# Altium PCB PCB_15122020_01BC.PcbDoc (part 2 of 9) (continued)
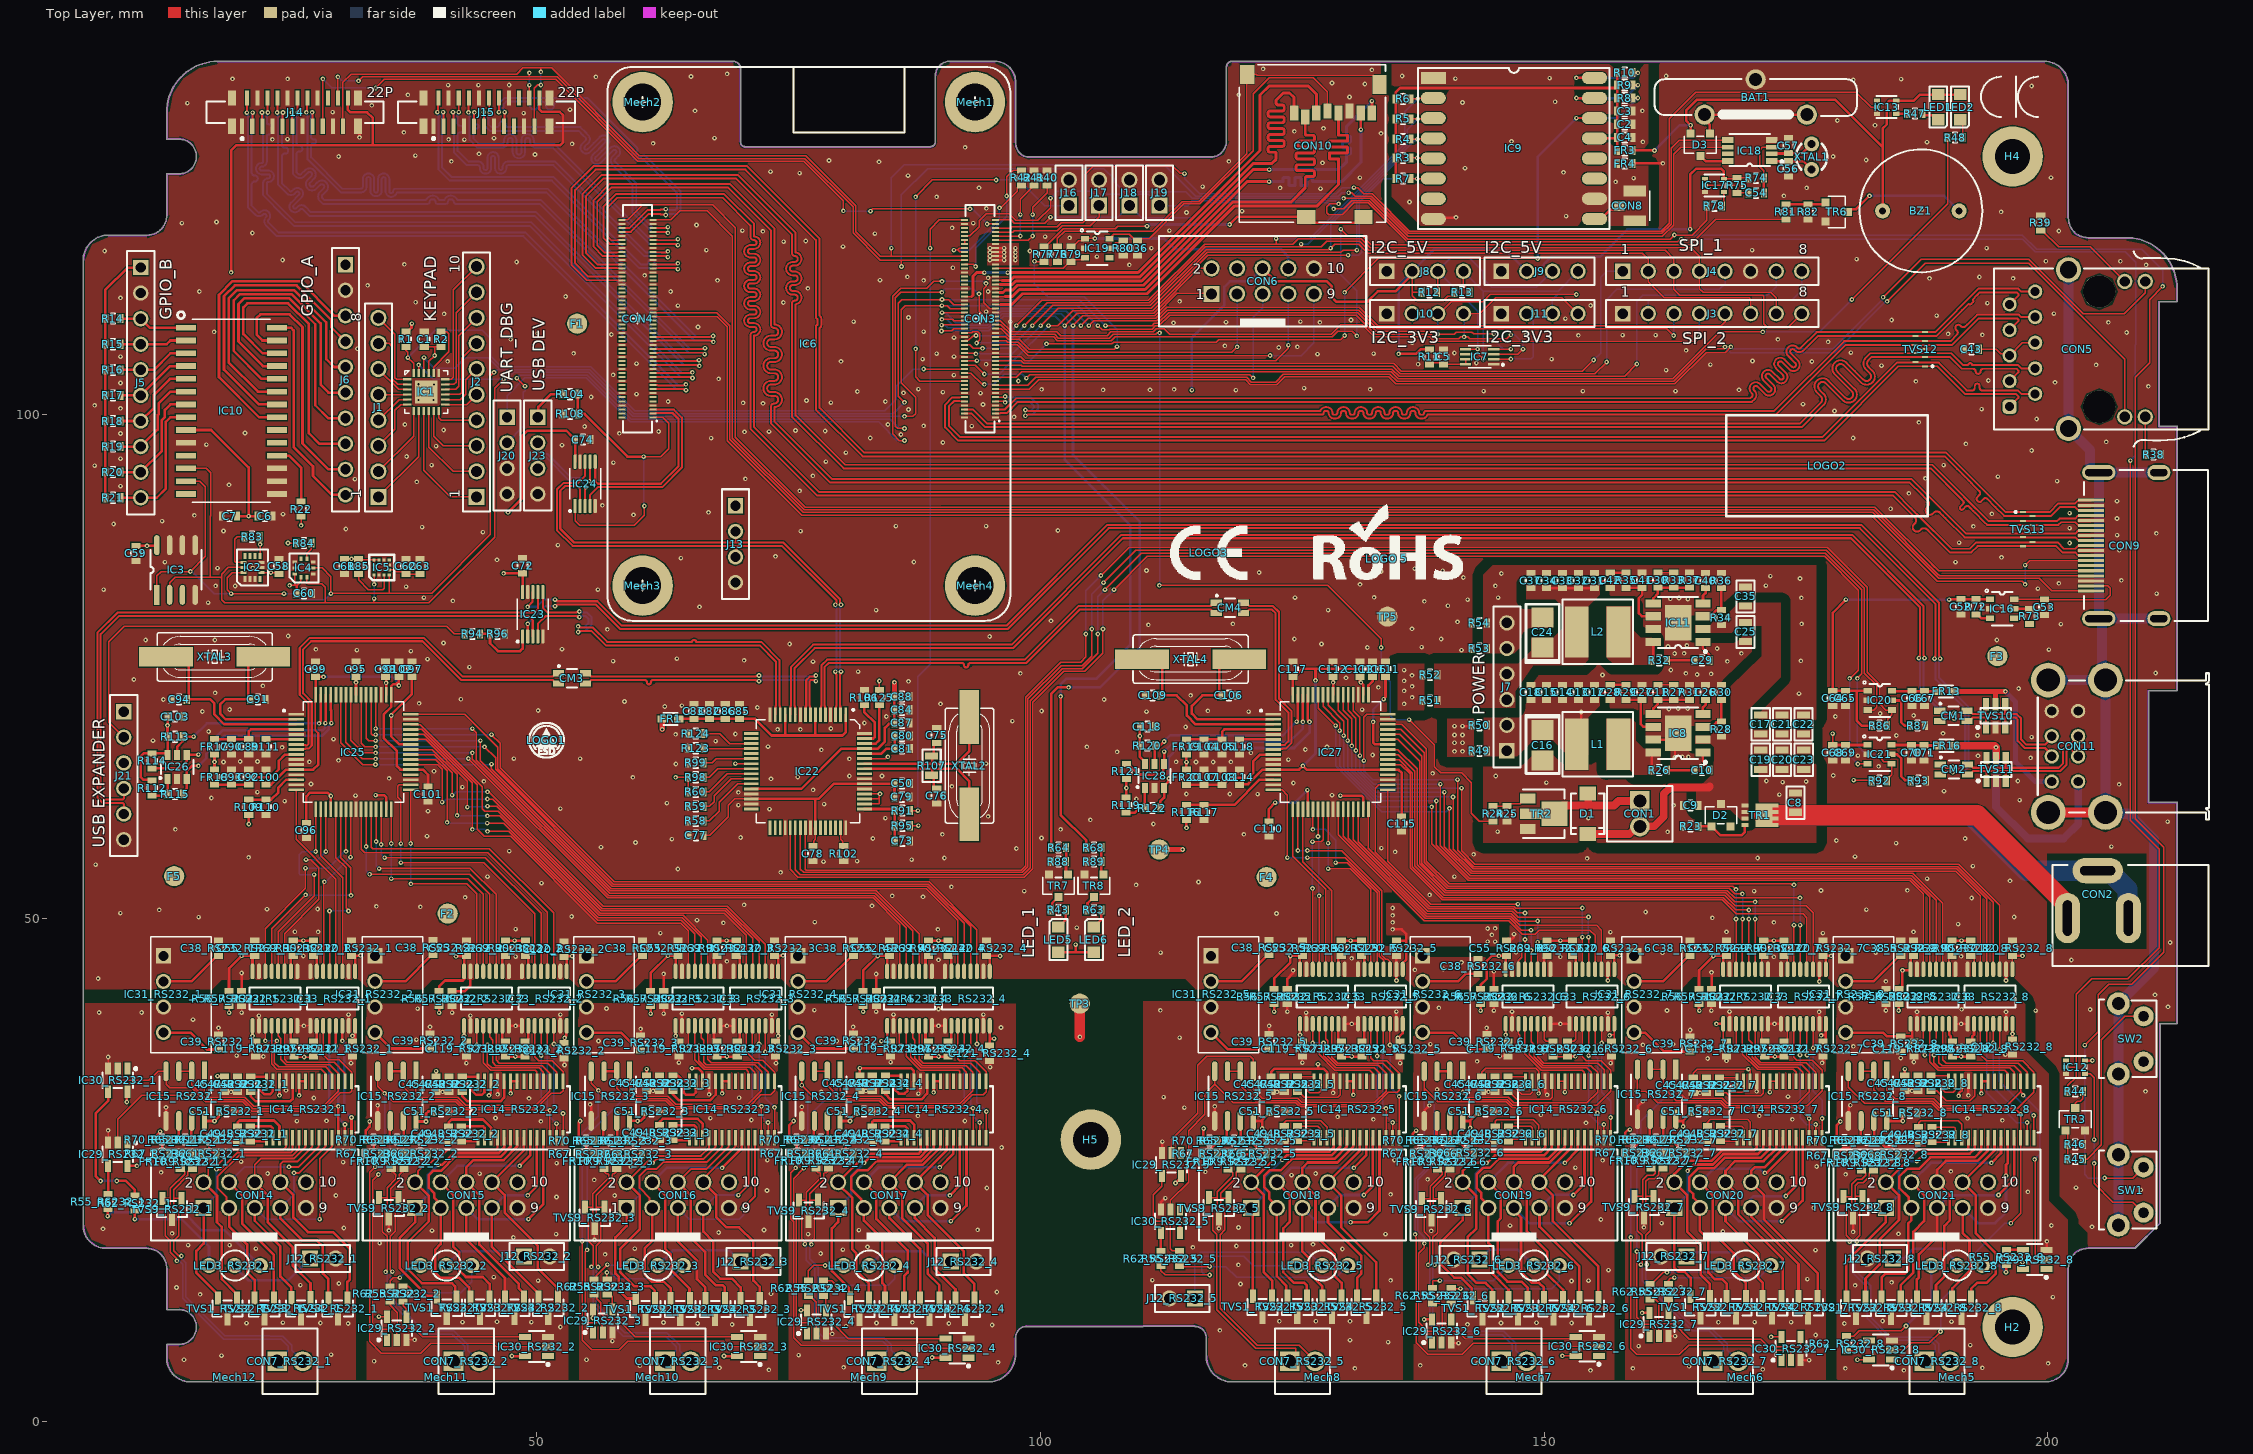
[diagram p0: Top Layer view]
## Part data (continued)
C56 C57: library part CC0603JRNPO9BN120, "12pF 50V C0G 5% SMD 0603 125C T/R", Case/Package=0603, Case Code (Metric)=1608, Dielectric=C0G, Dielectric Material=Ceramic, Insulation Resistance=100GR, Manufacturer=Yageo, Max Operating Temperature=125°C, Min Operating Temperature=-55°C, Package Quantity=1, Supplier Part Number 1=311-1059-1-ND, Tolerance=5%, Voltage Rating=50V, Capacitance=12pF, Case Code (Imperial)=0603, Category=Capasitor, ComponentLink1Description=https://datasheet.ciiva.com/144/mlccorderingcode-144448.pdf?src-supplier=Digi-Key, ComponentLink1URL=https://datasheet.ciiva.com/144/mlccorderingcode-144448.pdf?src-supplier=Digi-Key, ComponentLink2Description=https://datasheet.ciiva.com/144/mlccorderingcode-144449.pdf?src-supplier=Digi-Key, ComponentLink2URL=https://datasheet.ciiva.com/144/mlccorderingcode-144449.pdf?src-supplier=Digi-Key, ComponentLink3Description=https://datasheet.ciiva.com/144/mlccorderingcode-144450.pdf?src-supplier=Digi-Key, ComponentLink3URL=https://datasheet.ciiva.com/144/mlccorderingcode-144450.pdf?src-supplier=Digi-Key, ComponentLink4Description=https://datasheet.ciiva.com/8033/1734582-8033717.pdf?src-supplier=Element14, ComponentLink4URL=https://datasheet.ciiva.com/8033/1734582-8033717.pdf?src-supplier=Element14, ComponentLink5Description=https://datasheet.ciiva.com/5425/upy-gp-np0-16v-to-50v-8-5425478.pdf?src-supplier=Mouser, ComponentLink5URL=https://datasheet.ciiva.com/5425/upy-gp-np0-16v-to-50v-8-5425478.pdf?src-supplier=Mouser, ComponentLink6Description=https://datasheet.ciiva.com/8033/1734582-8033718.pdf?src-supplier=Element14, ComponentLink6URL=https://datasheet.ciiva.com/8033/1734582-8033718.pdf?src-supplier=Element14, ComponentLink7Description=https://datasheet.ciiva.com/11464/upy-gp-np0-16v-to-50v-8-11464726.pdf?src-supplier=Avnet, ComponentLink7URL=https://datasheet.ciiva.com/11464/upy-gp-np0-16v-to-50v-8-11464726.pdf?src-supplier=Avnet, ComponentLink8Description=https://datasheet.ciiva.com/28450/1443161-28450470.pdf?src-supplier=Element14, ComponentLink8URL=https://datasheet.ciiva.com/28450/1443161-28450470.pdf?src-supplier=Element14, ComponentLink9Description=https://datasheet.ciiva.com/16625/upy-gp-np0-16v-to-50v-8-16625516.pdf?src-supplier=Avnet+Europe, ComponentLink9URL=https://datasheet.ciiva.com/16625/upy-gp-np0-16v-to-50v-8-16625516.pdf?src-supplier=Avnet+Europe, Depth=0.8mm, Height=0.8mm, Lead Free="Lead Free", Length=1.6mm, Manufacturer Part Number=CC0603JRNPO9BN120, Mount="Surface Mount", Number of Pins=2, Packaging="Tape and Reel", Pricing 1="1 = 0,10000, 10 = 0,05600, 50 = 0,03040, 100 = 0,02480, 500 = 0,01774, 1000 = 0,01395 (USD)", Radiation Hardening=No, REACH SVHC="No SVHC", Resistor Type=Ceramic, RoHS=Yes, Stock 1=139479, Supplier 1=Digi-Key, Termination=SMD/SMT, Thickness=0.035inch, Voltage Rating (DC)=50V, Width=0.031inch
C64 C68: library part CC0603MRX7R5BB475, "4.7uF 6.3V X7R 0603", Case/Package=0603, Case Code (Metric)=1608, Manufacturer=Yageo, Max Operating Temperature=125°C, Min Operating Temperature=-55°C, Supplier Part Number 1=311-3496-6-ND, Tolerance=20%, Voltage Rating=6.3V, Capacitance=4.7uF, Case Code (Imperial)=0603, Category=Capasitor, ComponentLink1Description=http://www.yageo.com/documents/recent/UPY-GPHC_X7R_6.3V-to-50V_18.pdf?src-supplier=Digi-Key, ComponentLink1URL=http://www.yageo.com/documents/recent/UPY-GPHC_X7R_6.3V-to-50V_18.pdf?src-supplier=Digi-Key, Manufacturer Part Number=CC0603MRX7R5BB475, Mount="Surface Mount", Packaging="Cut Tape", Pricing 1="1 = 0,48000, 10 = 0,33600, 50 = 0,25420, 100 = 0,22130, 500 = 0,16394, 1000 = 0,13935 (USD)", RoHS=No, Stock 1=5553, Supplier 1=Digi-Key
C75 C76 C91 C94 C106 C109: library part CC0603JRNPO9BN180, "18 pF, 50 V, 0603 ± 5%, C0G / NP0", Case/Package=0603, Case Code (Metric)=1608, Dielectric=C0G, Insulation Resistance=100GR, Manufacturer=Yageo, Max Operating Temperature=125°C, Min Operating Temperature=-55°C, Package Quantity=1, Resistor Type=Ceramic, Supplier Part Number 1=311-1061-1-ND, Temperature Coefficient=30ppm/°C, Tolerance=5%, Voltage Rating=50V, Capacitance=18pF, Case Code (Imperial)=0603, Category=Capasitor, ComponentLink1Description=https://datasheet.ciiva.com/144/mlccorderingcode-144637.pdf?src-supplier=Digi-Key, ComponentLink1URL=https://datasheet.ciiva.com/144/mlccorderingcode-144637.pdf?src-supplier=Digi-Key, ComponentLink2Description=https://datasheet.ciiva.com/144/mlccorderingcode-144638.pdf?src-supplier=Digi-Key, ComponentLink2URL=https://datasheet.ciiva.com/144/mlccorderingcode-144638.pdf?src-supplier=Digi-Key, ComponentLink3Description=https://datasheet.ciiva.com/144/mlccorderingcode-144639.pdf?src-supplier=Digi-Key, ComponentLink3URL=https://datasheet.ciiva.com/144/mlccorderingcode-144639.pdf?src-supplier=Digi-Key, ComponentLink4Description=https://datasheet.ciiva.com/8033/1734582-8033733.pdf?src-supplier=Element14, ComponentLink4URL=https://datasheet.ciiva.com/8033/1734582-8033733.pdf?src-supplier=Element14, ComponentLink5Description=https://datasheet.ciiva.com/46430/1835847-46430152.pdf?src-supplier=Element14, ComponentLink5URL=https://datasheet.ciiva.com/46430/1835847-46430152.pdf?src-supplier=Element14, ComponentLink6Description=https://datasheet.ciiva.com/11587/upy-gp-np0-16v-to-50v-8-11587323.pdf?src-supplier=Avnet, ComponentLink6URL=https://datasheet.ciiva.com/11587/upy-gp-np0-16v-to-50v-8-11587323.pdf?src-supplier=Avnet, ComponentLink7Description=https://datasheet.ciiva.com/16625/upy-gp-np0-16v-to-50v-8-16625517.pdf?src-supplier=Avnet+Europe, ComponentLink7URL=https://datasheet.ciiva.com/16625/upy-gp-np0-16v-to-50v-8-16625517.pdf?src-supplier=Avnet+Europe, ComponentLink8Description=https://datasheet.ciiva.com/28450/1443161-28450477.pdf?src-supplier=Element14, ComponentLink8URL=https://datasheet.ciiva.com/28450/1443161-28450477.pdf?src-supplier=Element14, ComponentLink9Description=https://datasheet.ciiva.com/5425/upy-gp-np0-16v-to-50v-8-5425439.pdf?src-supplier=Mouser, ComponentLink9URL=https://datasheet.ciiva.com/5425/upy-gp-np0-16v-to-50v-8-5425439.pdf?src-supplier=Mouser, Depth=0.8mm, Height=0.8mm, Lead Free="Lead Free", Length=1.6mm, Manufacturer Part Number=CC0603JRNPO9BN180, Mount="Surface Mount", Number of Pins=2, Packaging="Tape and Reel", Pricing 1="1 = 0,10000, 10 = 0,04100, 50 = 0,02220, 100 = 0,01810, 500 = 0,01294, 1000 = 0,01016 (USD)", Radiation Hardening=No, REACH SVHC="No SVHC", RoHS=Yes, Stock 1=27569, Supplier 1=Digi-Key, Termination=SMD/SMT, Thickness=0.035inch, Voltage Rating (DC)=50V, Width=0.031inch
CM1 CM2 CM3 CM4: "Common Mode Chokes Dual 90Ohm 100MHz 370mA SMD T/R", Case/Package=1206, Current=370mA, DC Resistance (DCR)=300mR, Frequency=100MHz, Inductance=3.3H, Manufacturer="Wurth Electronics", Max Operating Temperature=125°C, Min Operating Temperature=-40°C, Package Quantity=1, Supplier Part Number 1=732-1469-1-ND, Tolerance=25%, Voltage Rating=50V, Category="Filters Common Mode Chokes", ComponentLink1Description=https://datasheet.ciiva.com/1008/744232090-1008352.pdf?src-supplier=Digi-Key, ComponentLink1URL=https://datasheet.ciiva.com/1008/744232090-1008352.pdf?src-supplier=Digi-Key, ComponentLink2Description=https://datasheet.ciiva.com/4952/744232090-24424-4952291.pdf?src-supplier=Mouser, ComponentLink2URL=https://datasheet.ciiva.com/4952/744232090-24424-4952291.pdf?src-supplier=Mouser, ComponentLink3Description=https://datasheet.ciiva.com/1467/1735620-1467976.pdf?src-supplier=Element14, ComponentLink3URL=https://datasheet.ciiva.com/1467/1735620-1467976.pdf?src-supplier=Element14, ComponentLink4Description=https://datasheet.ciiva.com/11800/0900766b80595ce5-11800284.pdf?src-supplier=RSComponents, ComponentLink4URL=https://datasheet.ciiva.com/11800/0900766b80595ce5-11800284.pdf?src-supplier=RSComponents, ComponentLink5Description=https://datasheet.ciiva.com/14187/744232090-eng-tds-14187245.pdf?src-supplier=Distrelec, ComponentLink5URL=https://datasheet.ciiva.com/14187/744232090-eng-tds-14187245.pdf?src-supplier=Distrelec, Core Material=Ferrite, Current Rating=370mA, Depth=1.6mm, Height=0.083inch, Impedance=90R, Lead Free="Lead Free", Length=3.2mm, Manufacturer Part Number=744232090, Max Current Rating=370mA, Max DC Current=370mA, Mount="Surface Mount", Number of Lines=2, Packaging="Tape and Reel", Pricing 1="1 = 1,23000, 10 = 1,17600, 50 = 1,09800, 100 = 1,03900, 500 = 1,00000, 1000 = 0,82300 (USD)", REACH SVHC="No SVHC", Resistance=300mR, RoHS=Yes, Stock 1=24452, Supplier 1=Digi-Key, Termination=SMD/SMT, Test Frequency=100MHz, Voltage Rating (DC)=50V, Weight=0.001376oz, Width=1.6mm
CON1 CON7_RS232_1 CON7_RS232_2 CON7_RS232_3 CON7_RS232_4 CON7_RS232_5 CON7_RS232_6 CON7_RS232_7 CON7_RS232_8: "2.54 Mm Terminal Block, Horizont", Manufacturer="Wurth Electronics", Supplier Part Number 1=732-691210910002-ND, Category="Connectors, Interconnects Terminal Blocks - Wire to Board", Manufacturer Part Number=691210910002, Pricing 1="1 = 1,10000, 10 = 1,00100, 50 = 0,94400, 100 = 0,86900, 500 = 0,71700 (USD)", RoHS=No, Stock 1=1189, Supplier 1=Digi-Key
CON2: "CONN JACK R/A PCB 5.5X2.5MM", Manufacturer="KLS ELECTRONIC", Category="Connectors, Interconnects Barrel - Power Connectors", ComponentLink1Description=L-KLS1-DC-005A-2.0, ComponentLink1URL=https://cdn.ozdisan.com/ETicaret_Dosya/508049_4541161.pdf, Manufacturer Part Number=L-KLS1-DC-005A-2.0, Pricing 1="1 = 0,2 500 = 0.18", RoHS=No, Stock 1=1979, Supplier 1=Ozdisan, Supplier Part Number 1=L-KLS1-DC-005A-2.0
CON3 CON4: Contact Resistance=90mR, Current Rating=300mA, Housing Color=Black, Manufacturer=Hirose, Max Operating Temperature=85°C, Max Voltage Rating (AC)=30V, Min Operating Temperature=-35°C, Package Quantity=1, Supplier Part Number 1=H11615CT-ND, Category="Connectors, Interconnects Rectangular Connectors - Arrays, Edge Type, Mezzanine (Board to Board)", ComponentLink1Description=https://datasheet.ciiva.com/26948/getdatasheetpartid-441624-26948933.pdf?src-supplier=Verical, ComponentLink1URL=https://datasheet.ciiva.com/26948/getdatasheetpartid-441624-26948933.pdf?src-supplier=Verical, ComponentLink2Description=https://datasheet.ciiva.com/46408/1824826-46408894.pdf?src-supplier=Element14, ComponentLink2URL=https://datasheet.ciiva.com/46408/1824826-46408894.pdf?src-supplier=Element14, Connector Type=Receptacle, Contact Material=Bronze, Contact Plating=Gold, Depth=3.38mm, Gender=Receptacle, Housing Material=Polymer, Lead Free="Lead Free", Length=22.6mm, Manufacturer Part Number=DF40C-100DS-0.4V(51), Mated Stacking Heights=1.5mm, Max Current Rating=300mA, Mount="Surface Mount", Number of Contacts=100, Number of Positions=100, Number of Rows=2, Orientation=Straight, Packaging="Tape and Reel", Pitch=0.4mm, Pricing 1="1 = 1,73000, 10 = 1,56800, 25 = 1,47200, 50 = 1,40800, 100 = 1,34400, 250 = 1,21600, 500 = 1,12000, 1000 = 0,96000, 2500 = 0,89600 (USD)", Radiation Hardening=No, REACH SVHC=Unknown, RoHS=Yes, Stock 1=4110, Supplier 1=Digi-Key, Termination=SMD/SMT, Voltage Rating=30V
CON5: "WURTH ELEKTRONIK - 7499111447 - MODULAR JACK, RJ45, 1000 BASE, 1PORT", Case/Package=Metal, Color=Green,Yellow,Silver, Flammability Rating="UL94 V-0", Manufacturer="Wurth Electronics", Max Operating Temperature=85°C, Min Operating Temperature=-40°C, Package Quantity=29, Supplier Part Number 1=732-4058-ND, Category="Connectors, Interconnects Modular Connectors - Jacks With Magnetics", ComponentLink1Description=https://datasheet.ciiva.com/22644/1685998-22644754.pdf?src-supplier=Element14, ComponentLink1URL=https://datasheet.ciiva.com/22644/1685998-22644754.pdf?src-supplier=Element14, ComponentLink2Description=https://datasheet.ciiva.com/6931/7499111447-6931883.pdf?src-supplier=Digi-Key, ComponentLink2URL=https://datasheet.ciiva.com/6931/7499111447-6931883.pdf?src-supplier=Digi-Key, ComponentLink3Description=https://datasheet.ciiva.com/24091/7499111447-254315-24091264.pdf?src-supplier=Mouser, ComponentLink3URL=https://datasheet.ciiva.com/24091/7499111447-254315-24091264.pdf?src-supplier=Mouser, ComponentLink4Description=https://datasheet.ciiva.com/23754/1685998-23754767.pdf?src-supplier=Newark, ComponentLink4URL=https://datasheet.ciiva.com/23754/1685998-23754767.pdf?src-supplier=Newark, ComponentLink5Description=https://datasheet.ciiva.com/48689/001088886-da-01-en-integrated-rj45-we-rj45lan-7499111447-48689525.pdf?src-supplier=Conrad, ComponentLink5URL=https://datasheet.ciiva.com/48689/001088886-da-01-en-integrated-rj45-we-rj45lan-7499111447-48689525.pdf?src-supplier=Conrad, Connector Type=RJ45,Socket, Contact Material=Ferrite,Gold, Contact Plating=Gold, Depth=21.3mm, Direction=Up, Gender=Female, Housing Material=Thermoplastic, Lead Free="Lead Free", Length=16mm, Manufacturer Part Number=7499111447, Mount="Through Hole", Number of Contacts=8, Number of Cores per Jack=8, Number of Ports=1, Number of Positions=8, Number of Positions Loaded=8, Number of Rows=1, Orientation="Right Angle", Packaging=Rail/Tube, Pitch=2.54mm, Pricing 1="1 = 11,37000, 10 = 10,23000, 29 = 9,30000, 116 = 8,10000 (USD)", REACH SVHC=Unknown, RoHS=Yes, Shielding=Shielded, Stock 1=1486, Supplier 1=Digi-Key, Termination="Through Hole"
CON6 CON14 CON15 CON16 CON17 CON18 CON19 CON20 CON21: "WURTH ELEKTRONIK - 61201021621 - Pin Header, Wire-to-Board, 2.54 mm, 2 Rows, 10 Contacts, Through Hole Straight, WR-BHD Series", Color=Black, Current Rating=3A, Flammability Rating="UL94 V-0", Insulation Resistance=1GR, Manufacturer="Wurth Electronics", Max Operating Temperature=125°C, Min Operating Temperature=-40°C, Package Quantity=260, Supplier Part Number 1=732-2094-ND, Voltage Rating=250V, Category="Connectors, Interconnects Rectangular Connectors - Headers, Male Pins", ComponentLink1Description=https://datasheet.ciiva.com/731/6120xx21621-731344.pdf?src-supplier=Digi-Key, ComponentLink1URL=https://datasheet.ciiva.com/731/6120xx21621-731344.pdf?src-supplier=Digi-Key, ComponentLink2Description=https://datasheet.ciiva.com/15395/6120xx21621-265834-15395106.pdf?src-supplier=Mouser, ComponentLink2URL=https://datasheet.ciiva.com/15395/6120xx21621-265834-15395106.pdf?src-supplier=Mouser, ComponentLink3Description=https://datasheet.ciiva.com/7648/76595-7648121.pdf?src-supplier=Element14, ComponentLink3URL=https://datasheet.ciiva.com/7648/76595-7648121.pdf?src-supplier=Element14, Connector Type="Male Pin", Contact Gender=Male, Contact Material="Copper Alloy,Copper", Contact Plating=Gold, Gender=Male, Height=8.85mm, Housing Material=PBT, Lead Free="Lead Free", Length=9.1mm, Manufacturer Part Number=61201021621, Mount="Through Hole", Number of Contacts=10, Number of Positions=10, Number of Rows=2, Orientation=Straight, Packaging=Tray, Pitch=2.54mm, Pricing 1="1 = 0,45000, 10 = 0,43700, 50 = 0,40300, 100 = 0,36100, 260 = 0,31900, 520 = 0,31100 (USD)", REACH SVHC=Unknown, RoHS=Yes, Row Spacing=0.1inch, Stock 1=15759, Supplier 1=Digi-Key, Termination=Solder, Width=20.36mm
CON8: "CONN UMCC JACK STR 50OHM SMD", Case/Package=SMD/SMT, Dielectric Material=Polymer, Frequency=6GHz, Housing Color=Beige, Manufacturer="TE Connectivity AMP", Max Operating Temperature=194°C, Min Operating Temperature=-40°C, Package Quantity=1, Supplier Part Number 1=A118077CT-ND, Voltage Rating=60V, Body Material="Polymer,Liquid Crystal Polymer", Body Plating=Gold, Category="Connectors, Interconnects - Coaxial Connectors (RF)", Center Contact Plating=Gold, ComponentLink1Description=https://datasheet.ciiva.com/16312/eng-cd-1909763-b-16312469.pdf?src-supplier=Future+Electronics, ComponentLink1URL=https://datasheet.ciiva.com/16312/eng-cd-1909763-b-16312469.pdf?src-supplier=Future+Electronics, ComponentLink2Description=https://datasheet.ciiva.com/16469/eng-cd-1909763-b-16469221.pdf?src-supplier=Avnet+Asia, ComponentLink2URL=https://datasheet.ciiva.com/16469/eng-cd-1909763-b-16469221.pdf?src-supplier=Avnet+Asia, ComponentLink3Description=https://datasheet.ciiva.com/9423/eng-cd-1909763-b-9423785.pdf?src-supplier=Avnet, ComponentLink3URL=https://datasheet.ciiva.com/9423/eng-cd-1909763-b-9423785.pdf?src-supplier=Avnet, ComponentLink4Description=https://datasheet.ciiva.com/29191/eng-cd-1909763-b1-basefilename-29191146.pdf?src-supplier=Digi-Key, ComponentLink4URL=https://datasheet.ciiva.com/29191/eng-cd-1909763-b1-basefilename-29191146.pdf?src-supplier=Digi-Key, ComponentLink5Description=https://datasheet.ciiva.com/29191/eng-cd-1909763-b1-basefilename-29191148.pdf?src-supplier=Digi-Key, ComponentLink5URL=https://datasheet.ciiva.com/29191/eng-cd-1909763-b1-basefilename-29191148.pdf?src-supplier=Digi-Key, Connector System=Cable-to-Board, Connector Type=Jack, Contact Material="Copper Alloy", Contact Plating=Gold, ELV=Compliant, Fastening Type=SNAP-ON,Pull, Gender=Female, Impedance=50R, Insertion Loss=0.24dB, Insulation Material=Thermoplastic, Lead Free="Lead Free", Length=3mm, Manufacturer Part Number=1909763-1, Mating Cycles=30, Max Frequency=6GHz, Mount=Panel, Number of Ports=1, Number of Positions=1, Orientation=Straight, Packaging="Tape and Reel", Pricing 1="1 = 0,46000, 10 = 0,42900, 25 = 0,38600, 50 = 0,34300, 100 = 0,32860, 250 = 0,30008, 500 = 0,28578, 1000 = 0,23577, 2500 = 0,21434 (USD)", Radiation Hardening=No, RoHS=Yes, RoHS Compliant=Yes, Sealable="No (Without)", Series=-, Stock 1=168700, Supplier 1=Digi-Key, Termination=SMD/SMT
CON9: "HDMI; 0.5mm; v2.1; RT Angle; w/o Mylar; w/o Flange; 19 Circuits", Manufacturer=Molex, Supplier Part Number 1=900-2086581101CT-ND, Category="Connectors, Interconnects HDMI Connectors", Manufacturer Part Number=208658-1101, Pricing 1="1 = 2,36000, 10 = 2,01000, 100 = 1,66040 (USD)", RoHS=No, Stock 1=1640, Supplier 1=Digi-Key
CON10: "Micro SD, 8 Contacts,", Manufacturer="Wurth Electronics", Max Operating Temperature=85°C, Min Operating Temperature=-25°C, Package Quantity=1, Supplier Part Number 1=732-3819-1-ND, Category="Connectors, Interconnects Memory Connectors - PC Card Sockets", ComponentLink1Description=https://datasheet.ciiva.com/1104/1759178-1104796.pdf?src-supplier=Element14, ComponentLink1URL=https://datasheet.ciiva.com/1104/1759178-1104796.pdf?src-supplier=Element14, ComponentLink2Description=https://datasheet.ciiva.com/6935/693071010811-6935152.pdf?src-supplier=Digi-Key, ComponentLink2URL=https://datasheet.ciiva.com/6935/693071010811-6935152.pdf?src-supplier=Digi-Key, ComponentLink3Description=https://datasheet.ciiva.com/25605/0900766b81113f2e-25605369.pdf?src-supplier=RSComponents, ComponentLink3URL=https://datasheet.ciiva.com/25605/0900766b81113f2e-25605369.pdf?src-supplier=RSComponents, ComponentLink4Description=https://datasheet.ciiva.com/6935/693071010811-6935146.pdf?src-supplier=Digi-Key, ComponentLink4URL=https://datasheet.ciiva.com/6935/693071010811-6935146.pdf?src-supplier=Digi-Key, Connector Type=Connector, Contact Material="Copper Alloy,Copper,Gold", Contact Plating=Gold, Height=1.98mm, Lead Free="Lead Free", Length=14mm, Manufacturer Part Number=693071010811, Mount="Surface Mount", Number of Contacts=8, Packaging="Tape and Reel", Pricing 1="1 = 2,92000, 10 = 2,85600, 50 = 2,51300, 100 = 2,39900, 500 = 2,05600 (USD)", REACH SVHC=Unknown, RoHS=Yes, Stock 1=3848, Supplier 1=Digi-Key, Width=15.2mm
CON11: "CONN RCPT USB2.0 TYPEA STACK R/A", Color=White, Current Rating=1A, Flammability Rating="UL94 V-0", Insulation Resistance=1GR, Manufacturer="Wurth Electronics", Max Operating Temperature=105°C, Min Operating Temperature=-40°C, Package Quantity=100, Supplier Part Number 1=732-2107-ND, Voltage Rating=30V, Category="Connectors, Interconnects- USB, DVI, HDMI Connectors", ComponentLink1Description=https://datasheet.ciiva.com/1098/1442185-1098931.pdf?src-supplier=Element14, ComponentLink1URL=https://datasheet.ciiva.com/1098/1442185-1098931.pdf?src-supplier=Element14, ComponentLink2Description=https://datasheet.ciiva.com/6743/61400826021-6743655.pdf?src-supplier=Newark, ComponentLink2URL=https://datasheet.ciiva.com/6743/61400826021-6743655.pdf?src-supplier=Newark, ComponentLink3Description=https://datasheet.ciiva.com/4598/61400826021-88262-4598792.pdf?src-supplier=Mouser, ComponentLink3URL=https://datasheet.ciiva.com/4598/61400826021-88262-4598792.pdf?src-supplier=Mouser, ComponentLink4Description=https://datasheet.ciiva.com/11731/0900766b81023ab8-11731306.pdf?src-supplier=RSComponents, ComponentLink4URL=https://datasheet.ciiva.com/11731/0900766b81023ab8-11731306.pdf?src-supplier=RSComponents, Connector Type=USB,Socket, Contact Material="Copper Alloy", Contact Plating=Gold, Gender=Female, Length=15.34mm, Manufacturer Part Number=61400826021, Mount="Through Hole,Horizontal", Number of Contacts=8, Number of Ports=2, Number of Positions=8, Orientation=Vertical, Packaging=Tray, Pricing 1="1 = 1,98000, 10 = 1,74700, 50 = 1,64600, 100 = 1,47800, 250 = 1,34400 (USD)", REACH SVHC=Unknown, RoHS=Yes, Stock 1=5632, Supplier 1=Digi-Key, Termination=Solder, USB Standard="USB 2.0", Width=17mm
D1: "SS14 - DIODE, SCHOTTKY, 1A, 40V, DO-214AC-2", Average Rectified Current=1A, Case/Package=SMA, Forward Voltage=500mV, Manufacturer="ON Semiconductor / Fairchild", Max Forward Surge Current (Ifsm)=40A, Max Operating Temperature=125°C, Max Power Dissipation=1.1W, Max Repetitive Reverse Voltage (Vrrm)=40V, Max Reverse Current=200uA, Min Operating Temperature=-65°C, Package Quantity=7500, Supplier Part Number 1=SS14CT-ND, Category=Diode, ComponentLink1Description=https://datasheet.ciiva.com/4713/ss14-197224-4713938.pdf?src-supplier=Mouser, ComponentLink1URL=https://datasheet.ciiva.com/4713/ss14-197224-4713938.pdf?src-supplier=Mouser, ComponentLink2Description=https://datasheet.ciiva.com/8303/ss19-8303766.pdf?src-supplier=Avnet, ComponentLink2URL=https://datasheet.ciiva.com/8303/ss19-8303766.pdf?src-supplier=Avnet, ComponentLink3Description=https://datasheet.ciiva.com/910/ss12-910695.pdf?src-supplier=Digi-Key, ComponentLink3URL=https://datasheet.ciiva.com/910/ss12-910695.pdf?src-supplier=Digi-Key, ComponentLink4Description=https://datasheet.ciiva.com/910/ss12-910696.pdf?src-supplier=Digi-Key, ComponentLink4URL=https://datasheet.ciiva.com/910/ss12-910696.pdf?src-supplier=Digi-Key, ComponentLink5Description=https://datasheet.ciiva.com/25951/ss19-25951496.pdf?src-supplier=Avnet+Europe, ComponentLink5URL=https://datasheet.ciiva.com/25951/ss19-25951496.pdf?src-supplier=Avnet+Europe, ComponentLink6Description=https://datasheet.ciiva.com/910/ss12-910697.pdf?src-supplier=Digi-Key, ComponentLink6URL=https://datasheet.ciiva.com/910/ss12-910697.pdf?src-supplier=Digi-Key, ComponentLink7Description=https://datasheet.ciiva.com/7965/1766303-7965241.pdf?src-supplier=Element14, ComponentLink7URL=https://datasheet.ciiva.com/7965/1766303-7965241.pdf?src-supplier=Element14, ComponentLink8Description=https://datasheet.ciiva.com/22651/1880990-22651980.pdf?src-supplier=Element14, ComponentLink8URL=https://datasheet.ciiva.com/22651/1880990-22651980.pdf?src-supplier=Element14, Current=1A, Current Rating=1A, Element Configuration=Single, Forward Current=1A, Height=2.2mm, Lead Free="Lead Free", Length=4.75mm, Manufacturer Part Number=SS14, Max Reverse Voltage (DC)=40V, Mount="Surface Mount", Number of Elements=1, Number of Pins=2, Number of Terminals/Pins=2, Output Current=1A, Packaging="Tape and Reel", Peak Non-Repetitive Surge Current=40A, Polarity=Standard, Power Dissipation=1.1W, Pricing 1="1 = 0,37000, 10 = 0,25900, 100 = 0,12960, 500 = 0,07920, 1000 = 0,05760, 2000 = 0,05472 (USD)", Radiation Hardening=No, REACH SVHC="No SVHC", RoHS=Yes, Stock 1=151686, Supplier 1=Digi-Key, Termination=SMD/SMT, Voltage=40V, Voltage Rating (DC)=40V, Weight=0.003739oz, Width=2.95mm
D2: "DIODE ZENER 12V 225MW SOD23-3", Case/Package=SOT-23-3, Manufacturer="ON Semiconductor", Max Operating Temperature=150°C, Max Power Dissipation=225mW, Max Reverse Leakage Current=1uA, Min Operating Temperature=-65°C, Package Quantity=10000, Power Dissipation=300mW, Supplier Part Number 1=MMBZ5242BLT3GOSCT-ND, Tolerance=5%, Zener Voltage=12V, Category="Diodes - Zener - Single", ComponentLink1Description=https://datasheet.ciiva.com/24020/mmbz5221blt1-d-24020127.pdf?src-supplier=Mouser, ComponentLink1URL=https://datasheet.ciiva.com/24020/mmbz5221blt1-d-24020127.pdf?src-supplier=Mouser, Element Configuration=Single, Impedance=30R, Lead Free="Lead Free", Manufacturer Part Number=MMBZ5242BLT3G, Number of Pins=3, Packaging="Tape and Reel", Pricing 1="1 = 0,13000, 10 = 0,09200, 100 = 0,04950, 500 = 0,03888, 1000 = 0,02700, 2000 = 0,02237, 5000 = 0,02115 (USD)", RoHS=Yes, Stock 1=39036, Supplier 1=Digi-Key, Voltage Tolerance=5%
D3: "Diodes Inc BAT54C-7-F, Dual SMT Schottky Switching Diode, Common Cathode, 30V 200mA, 5ns, 3-Pin SOT-23", Average Rectified Current=200mA, Capacitance=10pF, Case/Package=SOT-23, Forward Voltage=800mV, Manufacturer=Diodes, Max Forward Surge Current (Ifsm)=600mA, Max Operating Temperature=150°C, Max Power Dissipation=200mW, Max Repetitive Reverse Voltage (Vrrm)=30V, Max Reverse Current=2uA, Min Operating Temperature=-65°C, Package Quantity=3000, Supplier Part Number 1=BAT54C-FDICT-ND, Category=Diode, ComponentLink1Description=https://datasheet.ciiva.com/904/ds11005-904592.pdf?src-supplier=Digi-Key, ComponentLink1URL=https://datasheet.ciiva.com/904/ds11005-904592.pdf?src-supplier=Digi-Key, ComponentLink2Description=https://datasheet.ciiva.com/15143/getdatasheetpartid-29884-15143959.pdf?src-supplier=Verical, ComponentLink2URL=https://datasheet.ciiva.com/15143/getdatasheetpartid-29884-15143959.pdf?src-supplier=Verical, ComponentLink3Description=https://datasheet.ciiva.com/22695/1911820-22695254.pdf?src-supplier=Element14, ComponentLink3URL=https://datasheet.ciiva.com/22695/1911820-22695254.pdf?src-supplier=Element14, Contact Plating=Tin,Matte, Current Rating=200mA, Element Configuration="Common Cathode", Forward Current=200mA, Height=1mm, Lead Free="Lead Free", Length=2.9mm, Manufacturer Part Number=BAT54C-7-F, Max Reverse Voltage (DC)=30V, Mount="Surface Mount", Number of Pins=3, Packaging="Tape and Reel", Peak Non-Repetitive Surge Current=600mA, Power Dissipation=200mW, Power Rating=200mW, Pricing 1="1 = 0,18000, 10 = 0,13000, 100 = 0,07040, 500 = 0,05530, 1000 = 0,03840 (USD)", Radiation Hardening=No, REACH SVHC="No SVHC", Reverse Recovery Time=5ns, RoHS=Yes, Stock 1=151567, Supplier 1=Digi-Key, Termination=SMD/SMT, Voltage Rating (DC)=30V, Weight=0.000282oz, Width=1.3mm
FR1 FR13 FR16: library part 742792641, "FERRITE BEAD 300 OHM 0603 1LN", Case/Package=SMD/SMT, Case Code (Imperial)=0603, Case Code (Metric)=1608, Current Rating=2A, DC Resistance (DCR)=150mR, Inductance=18nH, Manufacturer="Wurth Electronics", Max Operating Temperature=125°C, Min Operating Temperature=-55°C, Package Quantity=1, Supplier Part Number 1=732-1592-1-ND, Test Frequency=100MHz, Tolerance=25%, Category="Filters - Ferrite Beads and Chips", ComponentLink1Description=https://datasheet.ciiva.com/1013/742792641-1013888.pdf?src-supplier=Digi-Key, ComponentLink1URL=https://datasheet.ciiva.com/1013/742792641-1013888.pdf?src-supplier=Digi-Key, ComponentLink2Description=https://datasheet.ciiva.com/4940/742792641-72209-4940450.pdf?src-supplier=Mouser, ComponentLink2URL=https://datasheet.ciiva.com/4940/742792641-72209-4940450.pdf?src-supplier=Mouser, ComponentLink3Description=https://datasheet.ciiva.com/1466/1705830-1466501.pdf?src-supplier=Element14, ComponentLink3URL=https://datasheet.ciiva.com/1466/1705830-1466501.pdf?src-supplier=Element14, ComponentLink4Description=https://datasheet.ciiva.com/11800/0900766b80d2e072-11800409.pdf?src-supplier=RSComponents, ComponentLink4URL=https://datasheet.ciiva.com/11800/0900766b80d2e072-11800409.pdf?src-supplier=RSComponents, ComponentLink5Description=https://datasheet.ciiva.com/1013/742792641-1013889.pdf?src-supplier=Digi-Key, ComponentLink5URL=https://datasheet.ciiva.com/1013/742792641-1013889.pdf?src-supplier=Digi-Key, ComponentLink6Description=https://datasheet.ciiva.com/1466/1705830-1466502.pdf?src-supplier=Element14, ComponentLink6URL=https://datasheet.ciiva.com/1466/1705830-1466502.pdf?src-supplier=Element14, Core Material=Ferrite, Depth=0.8mm, Height=0.8mm, Impedance=300R, Lead Free="Lead Free", Length=1.6mm, Manufacturer Part Number=742792641, Material=Ferrite, Max Current Rating=2A, Max DC Current=2A, Mount="Surface Mount", Number of Lines=1, Packaging="Tape and Reel", Pricing 1="1 = 0,17000, 50 = 0,16800, 100 = 0,15500, 500 = 0,14800, 1000 = 0,14100, 2000 = 0,13400 (USD)", REACH SVHC=Unknown, RoHS=Yes, Stock 1=53671, Supplier 1=Digi-Key, Termination=SMD/SMT, Weight=0.000141oz, Width=0.8mm
FR3 FR4 FR9_RS232_1 FR9_RS232_2 FR9_RS232_3 FR9_RS232_4 FR9_RS232_5 FR9_RS232_6 FR9_RS232_7 FR9_RS232_8 FR10_RS232_1 FR10_RS232_2 FR10_RS232_3 FR10_RS232_4 FR10_RS232_5 FR10_RS232_6 FR10_RS232_7 FR10_RS232_8 FR17 FR18 FR19 FR20: library part 742792620, "100Ohm 100MHz 500mA 0603 SMD", Case/Package=SMD/SMT, Case Code (Imperial)=0603, Case Code (Metric)=1608, Current Rating=500mA, DC Resistance (DCR)=150mR, Manufacturer="Wurth Electronics", Max Operating Temperature=125°C, Min Operating Temperature=-55°C, Package Quantity=1, Supplier Part Number 1=732-1579-1-ND, Test Frequency=100MHz, Tolerance=25%, Category="Filters - Ferrite Beads and Chips", ComponentLink1Description=https://datasheet.ciiva.com/1013/742792620-1013392.pdf?src-supplier=Digi-Key, ComponentLink1URL=https://datasheet.ciiva.com/1013/742792620-1013392.pdf?src-supplier=Digi-Key, ComponentLink2Description=https://datasheet.ciiva.com/30489/0900766b812a674b-30489152.pdf?src-supplier=RSComponents, ComponentLink2URL=https://datasheet.ciiva.com/30489/0900766b812a674b-30489152.pdf?src-supplier=RSComponents, ComponentLink3Description=https://datasheet.ciiva.com/23762/742792620-23762994.pdf?src-supplier=Newark, ComponentLink3URL=https://datasheet.ciiva.com/23762/742792620-23762994.pdf?src-supplier=Newark, ComponentLink4Description=https://datasheet.ciiva.com/22711/530503-22711411.pdf?src-supplier=Element14, ComponentLink4URL=https://datasheet.ciiva.com/22711/530503-22711411.pdf?src-supplier=Element14, ComponentLink5Description=https://datasheet.ciiva.com/4940/742792620-81075-4940413.pdf?src-supplier=Mouser, ComponentLink5URL=https://datasheet.ciiva.com/4940/742792620-81075-4940413.pdf?src-supplier=Mouser, ComponentLink6Description=https://datasheet.ciiva.com/1013/742792620-1013393.pdf?src-supplier=Digi-Key, ComponentLink6URL=https://datasheet.ciiva.com/1013/742792620-1013393.pdf?src-supplier=Digi-Key, ComponentLink7Description=https://datasheet.ciiva.com/1013/742792620-1013394.pdf?src-supplier=Digi-Key, ComponentLink7URL=https://datasheet.ciiva.com/1013/742792620-1013394.pdf?src-supplier=Digi-Key, ComponentLink8Description=https://datasheet.ciiva.com/1466/530503-1466423.pdf?src-supplier=Element14, ComponentLink8URL=https://datasheet.ciiva.com/1466/530503-1466423.pdf?src-supplier=Element14, ComponentLink9Description=https://datasheet.ciiva.com/48698/001087044-da-01-ml-we-cbf-smd-ferrit-742792620-de-en-48698348.pdf?src-supplier=Conrad, ComponentLink9URL=https://datasheet.ciiva.com/48698/001087044-da-01-ml-we-cbf-smd-ferrit-742792620-de-en-48698348.pdf?src-supplier=Conrad, Depth=0.8mm, Height=0.8mm, Impedance=100R, Lead Free="Lead Free", Length=1.6mm, Manufacturer Part Number=742792620, Material=Ferrite, Max Current Rating=500mA, Max DC Current=500mA, Mount="Surface Mount", Number of Lines=1, Number of Pins=2, Packaging="Tape and Reel", Pricing 1="1 = 0,14000, 50 = 0,14000, 100 = 0,12900, 500 = 0,12300, 1000 = 0,11800, 2000 = 0,11200 (USD)", REACH SVHC=Unknown, Resistance=150mR, RoHS=Yes, Stock 1=4265, Supplier 1=Digi-Key, Termination=SMD/SMT, Weight=0.000141oz, Width=0.8mm
H2 H4 H5: "3.5mm delik", Category=Hole
IC1: "IC KEYPAD SCANNER GPIO PORT EXP", Case/Package="LFCSP EP", Frequency=400kHz, Manufacturer="Analog Devices", Max Operating Temperature=85°C, Max Supply Voltage=3V, Min Operating Temperature=-40°C, Min Supply Voltage=1.7V, Nominal Supply Current=200uA, Package Quantity=1500, Supplier Part Number 1=ADP5588ACPZ-R7DKR-ND, Category="Integrated Circuits - Interface - Specialized", ComponentLink1Description=https://datasheet.ciiva.com/1784/adp5588-1784128.pdf?src-supplier=Digi-Key, ComponentLink1URL=https://datasheet.ciiva.com/1784/adp5588-1784128.pdf?src-supplier=Digi-Key, ComponentLink2Description=https://datasheet.ciiva.com/1784/adp5588-1784129.pdf?src-supplier=Digi-Key, ComponentLink2URL=https://datasheet.ciiva.com/1784/adp5588-1784129.pdf?src-supplier=Digi-Key, ComponentLink3Description=https://datasheet.ciiva.com/3245/adp5588-3245397.pdf?src-supplier=Avnet, ComponentLink3URL=https://datasheet.ciiva.com/3245/adp5588-3245397.pdf?src-supplier=Avnet, ComponentLink4Description=https://datasheet.ciiva.com/48708/001248645-da-01-en-ic-keypad-sca-adp5588acpz-r7-vqfn-24-adi-48708620.pdf?src-supplier=Conrad, ComponentLink4URL=https://datasheet.ciiva.com/48708/001248645-da-01-en-ic-keypad-sca-adp5588acpz-r7-vqfn-24-adi-48708620.pdf?src-supplier=Conrad, Contact Plating=Tin,Matte, Interface=I2C, Lead Free="Contains Lead", Manufacturer Part Number=ADP5588ACPZ-R7, Max Frequency=400kHz, Mount="Surface Mount", Number of I/Os=18, Number of Pins=24, Packaging="Tape and Reel", Pricing 1="1 = 2,78000, 10 = 2,50000, 25 = 2,36400, 100 = 1,94360, 250 = 1,74400, 500 = 1,68096 (USD)", REACH SVHC="No SVHC", RoHS=Yes, Stock 1=100, Supplier 1=Digi-Key
IC2: "IMU ACCEL/GYRO I2C/SPI 14LGA", Case/Package=LGA, Manufacturer=STMicroelectronics, Max Supply Voltage=3.6V, Min Supply Voltage=1.71V, Supplier Part Number 1=497-16696-6-ND, Category="Sensors, Transducers", ComponentLink1Description=http://www.farnell.com/datasheets/2151220.pdf?src-supplier=Farnell, ComponentLink1URL=http://www.farnell.com/datasheets/2151220.pdf?src-supplier=Farnell, ComponentLink2Description=https://www.mouser.com/ds/2/389/lsm6dsm-973702.pdf?src-supplier=Mouser, ComponentLink2URL=https://www.mouser.com/ds/2/389/lsm6dsm-973702.pdf?src-supplier=Mouser, ComponentLink3Description=http://www.st.com/content/ccc/resource/technical/document/datasheet/76/27/cf/88/c5/03/42/6b/DM00218116.pdf/files/DM00218116.pdf/jcr:content/translations/en.DM00218116.pdf?src-supplier=Digi-Key, ComponentLink3URL=http://www.st.com/content/ccc/resource/technical/document/datasheet/76/27/cf/88/c5/03/42/6b/DM00218116.pdf/files/DM00218116.pdf/jcr:content/translations/en.DM00218116.pdf?src-supplier=Digi-Key, ComponentLink4Description=http://www.farnell.com/datasheets/2151220.pdf?src-supplier=Element14, ComponentLink4URL=http://www.farnell.com/datasheets/2151220.pdf?src-supplier=Element14, ComponentLink5Description=http://www.st.com/content/ccc/resource/sales_and_marketing/promotional_material/flyer/7a/04/ee/af/e2/19/46/66/fllsm6dsm0216.pdf/files/fllsm6dsm0216.pdf/jcr:content/translations/en.fllsm6dsm0216.pdf?src-supplier=Digi-Key, ComponentLink5URL=http://www.st.com/content/ccc/resource/sales_and_marketing/promotional_material/flyer/7a/04/ee/af/e2/19/46/66/fllsm6dsm0216.pdf/files/fllsm6dsm0216.pdf/jcr:content/translations/en.fllsm6dsm0216.pdf?src-supplier=Digi-Key, Manufacturer Part Number=LSM6DSMTR, Number of Pins=14, Packaging="Cut Tape", Pricing 1="1 = 3,00000, 10 = 2,69700, 25 = 2,54920, 100 = 2,09610, 250 = 1,88080, 500 = 1,81280, 1000 = 1,50689, 2500 = 1,45024 (USD)", REACH SVHC="No SVHC", RoHS=No, Stock 1=5847, Supplier 1=Digi-Key